# Altium PCB Stabilizer_Pounder.PcbDoc (part 6 of 7)
Units mm, origin at the board's own origin, x right, y up, seen from the top; angles counter-clockwise.
Board outline 113.55 x 100 mm, 4 copper layers (Top, P2, L3, Bottom Layer), stack 1.579 mm thick; 591 components, 344 nets, 1737 pads, 984 vias.
Unrouted connection lines stored in the file: 2.
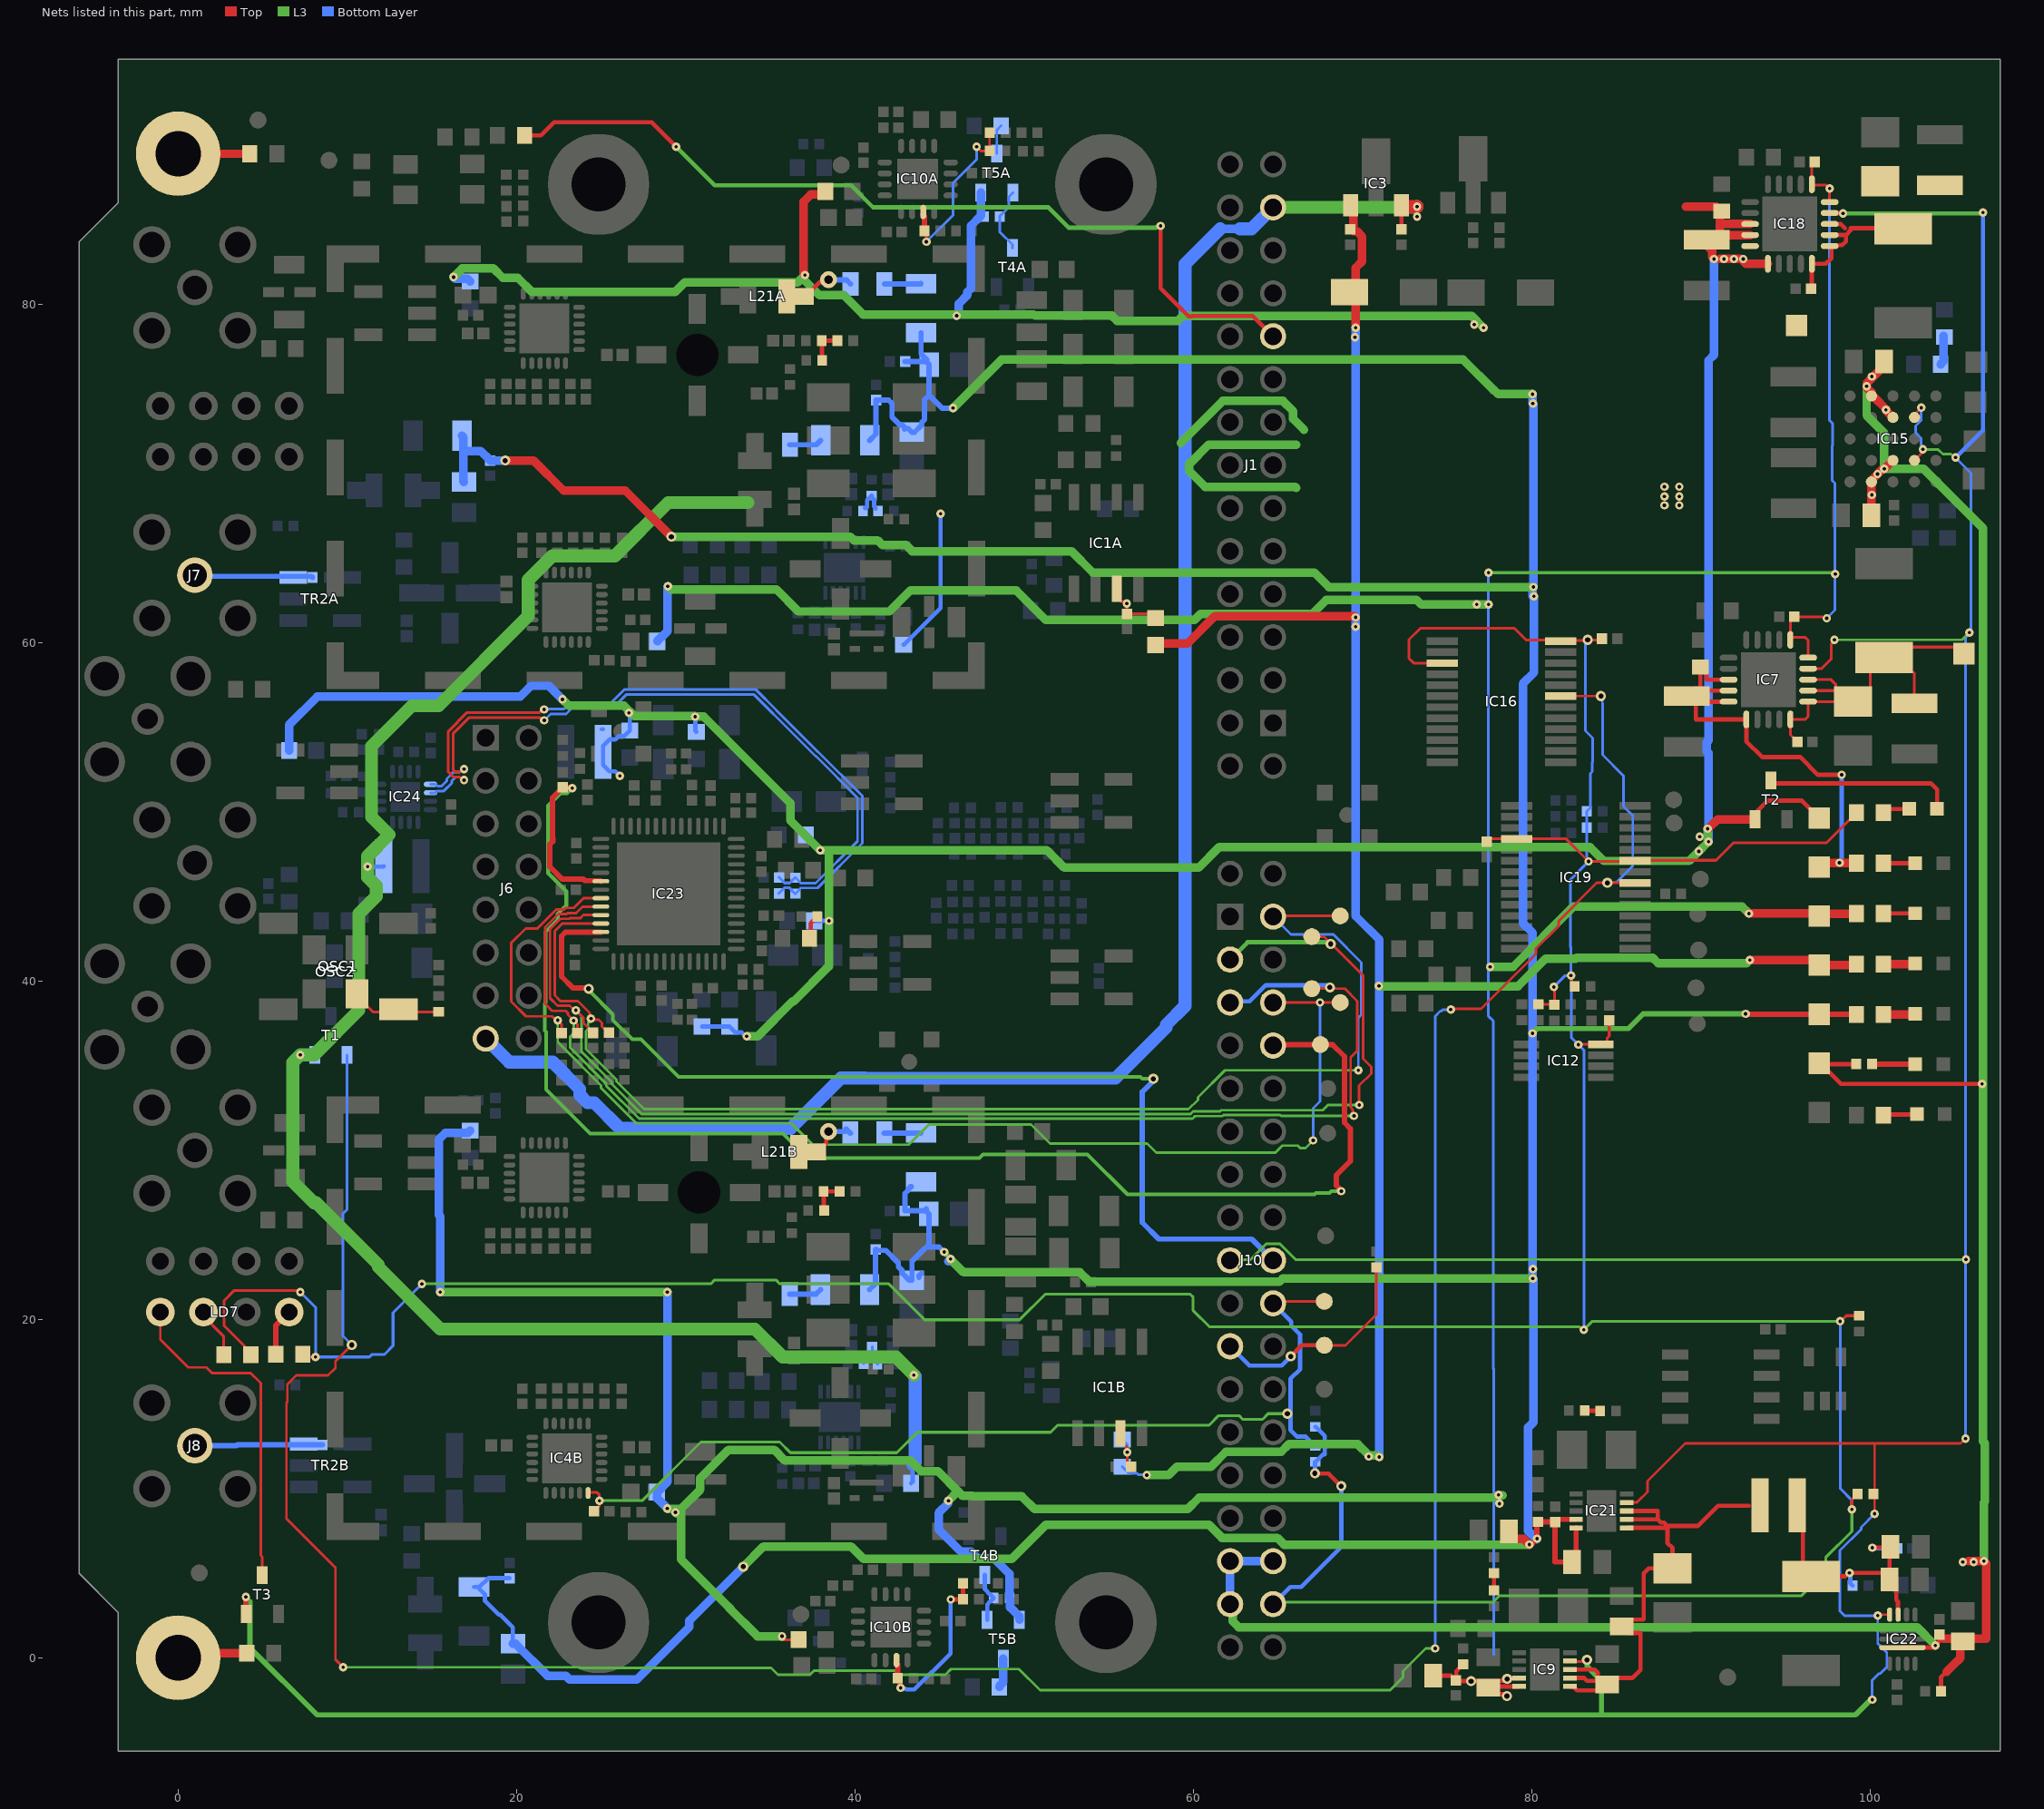
[diagram p8: the nets of this part, all layers, seen from the top]

## Via types
v1: diameter 0.5, hole 0.2, Top to Bottom Layer, tented both sides, 847 vias
v2: diameter 0.6, hole 0.3, Top to Bottom Layer, tented both sides, 113 vias
v3: diameter 1, hole 0.5, Top to Bottom Layer, tented both sides, 24 vias

## Nets (pads, with @x,y where several pads share a name; then routed paths per layer and width w, separated by ;. In a path a pad name is that pad's centre, name@x,y a point inside that pad or via, vN(x,y) a via of type N, cw(c..) or ccw(c..) an arc to the next point about the centre after c; other vN are vias at no path point) (continued)
NetL21A_2: L21A.2 R2A.2 | length 3.1
  Top w0.254: L21A.2@37.023,80.467 37.073,80.467 37.917,81.31 38.257,81.31 v3@38.303,81.356
  Top w0.316: v3(38.444,81.453) v3@38.466,81.431
  Bottom Layer w0.316: v3(38.444,81.453) 39.489,81.453 R2A.2@39.739,81.203
NetL21B_2: L21B.2 R2B.2 | length 3.2
  Top w0.254: L21B.2@37.735,29.896 37.785,29.896 38.303,30.414 38.303,30.785 38.623,31.104 v3@38.684,31.166
  Bottom Layer w0.316: v3(38.434,31.104) 39.412,31.104 39.479,31.171 39.479,31.254 R2B.2@39.729,31.004
NetLD1_1: LD1.1 R5.1 | length 1.9
  Top w0.254: R5.1@100.794,32.063 100.844,32.113 LD1.1@102.719,32.113
NetLD3_2: LD3.2 R33.1 | length 2.6
  Top w0.316: R33.1@100.114,35.088 102.594,35.088 LD3.2@102.644,35.038
NetLD4_2: LD4.2 R115.1 | length 1.8
  Top w0.254: R115.1@100.894,43.963 100.932,44.001 LD4.2@102.669,44.001
NetLD5_2: LD5.2 R116.1 | length 2.1
  Top w0.508: R116.1@100.794,38.024 102.755,38.024 LD5.2@102.819,38.088
NetLD7_1: LD7.1 T3.3 | length 20.5
  Top w0.152: LD7.1@-1.056,20.438 -1.056,18.81 0.595,17.159 1.672,17.159 2.002,16.829 4.278,16.829 4.877,16.23 4.877,6.061 4.969,5.969 T3.3@4.969,4.888
  L3 w0.166: LD7.1@-0.692,19.799 -0.692,20.027 LD7.1@-0.506,20.213
NetLD7_2: LD7.2 R38.1 | length 2.7
  Top w0.166: LD7.2@1.544,20.138 2.694,18.988 R38.1@2.694,17.913
NetLD7_4: LD7.4 R143.1 | length 2.7
  Top w0.316: R143.1@5.76,17.938 5.76,19.631 6.401,20.271 LD7.4@6.401,20.371
NetLD9_2: LD9.2 R139.1 | length 2.1
  Top w0.254: R139.1@100.794,46.966 102.891,46.966 LD9.2@102.894,46.963
NetLD10_2: LD10.2 R37.1 | length 1.8
  Top w0.508: R37.1@100.794,41.005 102.611,41.005 LD10.2@102.619,41.013
NetLD13_1: LD13.1 T2.3 | length 11.1
  Top w0.254: T2.3@94.144,51.863 94.323,51.684 103.598,51.684 103.969,51.313 LD13.1@103.969,50.288
NetLD13_2: LD13.2 R140.1 | length 1.5
  Top w0.254: R140.1@100.819,50.063 100.927,50.171 LD13.2@102.309,50.171
NetOSC1_3: OSC1.3 OSC2.3 R117.2 | length 4.8
  Top w0.166: OSC2.3@10.871,38.811 10.871,38.766 11.166,38.471 11.211,38.471 11.504,38.178 13.014,38.178 R117.2@15.394,38.178
NetR1A_2: R1A.2 R2A.1 | length 2.2
  Bottom Layer w0.316: R2A.1@41.739,81.203 43.89,81.203 R1A.2@43.909,81.222
NetR1B_2: R1B.2 R2B.1 | length 2.2
  Bottom Layer w0.316: R2B.1@41.729,31.004 43.88,31.004 R1B.2@43.899,31.024
NetR3A_2: R3A.2 R4A.1 | length 1.9
  Bottom Layer w0.316: R4A.1@36.154,71.698 37.714,71.698 R3A.2@37.974,71.958
NetR3B_2: R3B.2 R4B.1 | length 1.9
  Bottom Layer w0.316: R4B.1@36.144,21.499 37.704,21.499 R3B.2@37.964,21.759
NetR12A_2: R12A.2 R17A.1 R98A.2 | length 2.2
  Top w0.254: R12A.2@38.037,77.851 R17A.1@38.964,77.851 39.091,77.851 R17A.1@39.116,77.876 ; R12A.2@38.049,77.825 38.049,76.695 R98A.2@38.062,76.682
NetR12B_2: R12B.2 R17B.1 R98B.2 | length 2
  Top w0.254: R98B.2@38.176,26.441 38.157,26.46 38.157,27.514 38.202,27.559 R17B.1@39.09,27.559
NetR29_2: R29.2 R30.1 | length 1.5
  Top w0.254: R29.2@37.314,42.528 37.398,42.612 37.398,43.437 37.586,43.625 37.606,43.625 37.769,43.788 R30.1@37.769,43.808
NetR43_2: R43.2 ST2.1 | length 4.2
  Top w0.5: ST2.1@0,88.9 R43.2@4.229,88.9
NetR44_2: R44.2 ST2.0 | length 4.2
  Top w0.5: ST2.0@0,0 0.278,0.278 R44.2@4.05,0.278
NetR75_1: R75.1 R79.2 | length 1
  Top w0.254: R75.1@77.775,3.977 R79.2@77.775,4.998
NetR84_2: R84.2 R87.1 | length 1.7
  Bottom Layer w0.508: R84.2@104.169,76.454 104.343,76.628 R87.1@104.343,78.13
NetR93A_1: R93A.1 T4A.3 T5A.1 | length 3.9
  Bottom Layer w0.152: T4A.3@49.312,83.326 49.312,83.526 48.565,84.272 R93A.1@48.565,85.191 48.565,85.211 49.088,85.735 49.088,86.358 T5A.1@49.337,86.607
NetR93B_1: R93B.1 T4B.3 T5B.1 | length 3
  Bottom Layer w0.254: T4B.3@47.676,4.895 47.676,4.051 48.013,3.713 48.033,3.713 48.196,3.55 R93B.1@48.196,3.53 48.196,3.51 47.983,3.297 47.967,3.297 47.818,3.148 T5B.1@47.818,2.242
NetR95A_1: R95A.1 T5A.3 | length 1.7
  Bottom Layer w0.152: T5A.3@48.387,88.907 48.387,90.297 R95A.1@48.641,90.551
NetR95B_1: R95B.1 T5B.3 | length 1.8
  Bottom Layer w0.508: R95B.1@48.539,-1.727 48.539,-1.677 48.768,-1.449 T5B.3@48.768,-0.058
NetR100A_2: R100A.2 R101A.1 R102A.1 | length 1.8
  Bottom Layer w0.254: R100A.2@40.589,67.957 40.658,67.957 40.714,68.013 40.714,68.433 40.976,68.694 R101A.1@40.996,68.694 ; R101A.1@40.945,68.631 40.965,68.631 41.128,68.468 41.128,68.048 41.224,67.952 R102A.1@41.224,67.919
NetR100B_2: R100B.2 R101B.1 R102B.1 | length 1.9
  Bottom Layer w0.152: R100B.2@40.513,17.373 40.513,17.393 40.727,17.607 40.747,17.607 41.021,17.881 ; R101B.1@41.021,18.377 41.021,17.881 ; R102B.1@41.338,17.348 41.125,17.562 41.125,17.778 41.021,17.881
NetR133_1: R133.1 R135.2 | length 0.9
  Top w0.254: R133.1@83.131,14.605 84.031,14.605 R135.2@84.041,14.595
OSC_ENn: IC16.19 IC19.7 T1.1 | length 175.3
  Top w0.152: v1(9.754,-0.559) 9.296,-0.102 9.296,5.323 6.401,8.219 6.401,15.068 6.452,15.119 6.452,16.154 6.981,16.684 8.86,16.684 9.296,17.12 9.296,17.523 v2(10.262,18.488) ; v1(75.217,38.317) 75.264,38.364 77.016,38.364 80.245,41.594 80.245,41.915 81.584,43.254 81.584,43.544 83.843,45.803 IC19.7@86.117,45.803 ; IC16.19@81.84,56.839 84.085,56.839 v2(84.093,56.848)
  L3 w0.152: v1(9.754,-0.559) 23.693,-0.559 23.732,-0.598 35.051,-0.598 35.453,-1 37.342,-1 37.584,-0.758 42.351,-0.758 42.593,-1 45.34,-1 45.673,-0.667 49.692,-0.667 50.941,-1.916 71.634,-1.916 72.4,-1.149 72.4,-0.781 73.73,0.55 v1(74.294,0.55)
  Bottom Layer w0.152: v1(9.754,-0.559) v1@9.754,-0.508 ; T1.1@9.974,35.628 9.974,26.496 9.732,26.254 9.732,19.017 v2(10.262,18.488) ; v1(74.294,0.55) 74.294,37.914 74.602,38.222 74.662,38.222 74.738,38.298 75.198,38.298 v1(75.217,38.317) ; v2(84.093,56.848) 84.179,56.762 84.179,56.409 84.19,56.398 84.19,53.367 85.433,52.124 85.433,50.318 85.976,49.775 85.976,46.805 84.998,45.827 84.494,45.827 v2(84.47,45.803)
OSC_TUNING: J1.19 R72.2 | length 52.1
  Top w0.254: R72.2@20.471,89.986 21.446,89.986 22.214,90.754 27.994,90.754 v1(29.429,89.319) ; v1(58.069,84.638) 58.069,80.952 59.729,79.292 59.94,79.292 59.961,79.313 63.509,79.313 J1.19@64.714,78.108
  L3 w0.254: v1(29.429,89.319) 31.711,87.036 39.771,87.036 41.079,85.728 51.434,85.728 52.631,84.531 57.797,84.531 57.857,84.591 58.022,84.591 v1(58.069,84.638)
P1V8A: C169.2 IC18.1 IC18.18 IC18.19 IC18.20 L1.2 L7.1 L10.2 L25.2 L26.2 L27.2 L28.2 L29.2 R129.2 T2.1 TP10.1 | length 173.7
  Top w0.254: T2.1@93.294,50.013 93.944,50.663 95.969,50.663 TP10.1@96.994,49.638
  Top w0.508: 89.109,85.774 90.919,85.774 91.189,85.504 R129.2@91.239,85.504 91.124,85.389 91.124,84.804 ; v1@90.444,49.013 90.994,49.563 T2.1@93.194,49.563 T2.1@93.216,49.585 ; v1(90.78,82.677) 90.672,82.785 90.672,83.144 ; v1@91.124,82.692 92.366,82.692 92.664,82.394 IC18.1@93.959,82.394 ; IC18.19@92.909,84.094 C169.2@91.124,84.094 ; IC18.18@92.909,84.744 91.184,84.744 91.124,84.804 ; C169.2@90.351,83.824 90.351,83.465 90.672,83.144 ; C169.2@90.351,83.824 90.672,83.503 90.672,83.144 ; C169.2@90.351,83.824 C169.2@90.349,83.824 90.619,84.094 C169.2@91.124,84.094 ; C169.2@91.124,84.094 91.124,84.804
  L3 w0.508: v1(22.713,56.648) 23.079,56.282 26.34,56.282 26.97,55.651 v1@30.556,55.651 ; v1(30.556,55.626) 31.064,55.626 36.174,50.516 36.174,49.5 v1(37.948,47.726) 38.456,47.726 ; v1(33.604,36.728) 34.243,36.728 36.314,38.798 36.386,38.798 38.456,40.868 v1@38.456,43.558 ; v1(38.464,43.558) v1@38.456,43.558 ; v1(90.401,49.004) 90.401,48.186 v1(89.88,47.665) 89.312,47.097 84.261,47.097 83.454,47.903 61.514,47.903 60.314,46.703 52.369,46.703 51.346,47.726 38.456,47.726 ; v1@38.456,43.558 38.456,47.726
  Bottom Layer w0.254: L7.1@25.034,54.883 L7.1@25.108,54.883 ; v1(26.107,52.128) 25.84,52.394 25.481,52.394 25.108,52.767 L7.1@25.108,53.548 25.108,53.907 25.481,54.28 25.84,54.28 26.028,54.468 26.354,54.468 L25.2@26.694,54.808 26.694,55.701 26.645,55.75 v1(26.645,55.854) ; v1(30.556,55.626) 30.573,55.609 30.573,54.774 L1.2@30.619,54.728 ; L26.2@30.959,37.308 L27.2@32.584,37.308 32.932,36.96 33.306,36.96 33.538,36.728 v1(33.604,36.728) ; L29.2@37.093,48.648 37.441,48.3 37.441,48.233 v1(37.948,47.726) ; L28.2@37.599,43.558 v1(38.464,43.558)
  Bottom Layer w0.508: L10.2@6.554,53.628 6.554,55.144 8.226,56.816 20.219,56.816 20.85,57.447 21.914,57.447 v1(22.713,56.648) ; v1(90.449,48.234) 90.449,53.479 90.353,53.576 90.353,54.12 90.449,54.216 90.449,76.682 90.78,77.013 v1(90.78,82.677)
  other v1: 89.928,48.53 91.364,82.677 91.948,82.677 92.507,82.677
P2V1: C76.1 C163.2 C167.1 IC18.5 IC18.6 IC18.7 IC18.8 L3.2 TP11.1 | length 9.1
  Top w0.254: C167.1@96.596,80.924 96.559,80.961 IC18.5@96.559,82.394 97.38,82.394 97.714,82.728 IC18.6@97.714,83.444 ; IC18.7@97.609,84.094 98.572,84.094 ; IC18.8@97.609,84.744 98.263,84.744 98.527,84.48 ; IC18.6@97.892,83.49 98.349,83.49 98.572,83.713 98.572,84.094 ; L3.2@100.711,84.683 100.533,84.506 98.857,84.506 98.857,84.379 98.572,84.094
P3V3A: C78.2 IC7.1 IC7.18 IC7.19 IC7.20 L6.1 L31A.2 L31B.2 R23.2 R139.2 T1.2 TP13.1 | length 169.8
  Top w0.254: IC7.20@91.639,56.514 C78.2@89.489,56.514 ; IC7.19@91.639,57.164 90.094,57.164 C78.2@89.966,57.292 ; IC7.18@91.639,57.814 90.342,57.814 90.342,58.231 90.019,58.554 R23.2@89.969,58.554 89.969,57.654 89.966,57.651 C78.2@89.966,57.292 ; v1(98.319,52.188) 96.919,52.188 95.869,53.238 93.619,53.238 92.689,54.168 IC7.1@92.689,55.464 89.706,55.464 89.706,56.297 C78.2@89.489,56.514 ; C78.2@89.159,56.844 C78.2@89.489,56.514 ; C78.2@89.159,56.844 89.607,57.292 C78.2@89.966,57.292 ; C78.2@89.159,56.844 89.518,56.844 C78.2@89.966,57.292
  Top w0.508: TP13.1@97.019,46.888 97.097,46.966 R139.2@99.194,46.966
  L3 w0.508: 59.257,71.805 61.741,74.288 65.294,74.288 65.895,73.687 65.895,73.233 66.54,72.589 ; 66.089,69.149 66.023,69.215 60.691,69.215 59.765,70.141 59.765,70.562 60.898,71.694 66.089,71.694
  L3 w0.762: 33.681,68.277 28.96,68.277 25.81,65.128 22.109,65.128 20.693,63.712 20.693,61.574 15.387,56.267 13.819,56.267 11.43,53.878 11.43,49.695 12.471,48.653 11.194,47.376 v1(11.194,46.758) 11.194,46.139 11.705,45.627 11.705,44.999 10.675,43.969 10.675,38.28 8.03,35.636 v1(7.214,35.636) 6.778,35.2 6.778,28.141 8.026,26.893 8.156,26.893 11.822,23.227 11.822,23.097 15.488,19.431 34.076,19.431 35.733,17.774 42.417,17.774 v1(43.485,16.706)
  Bottom Layer w0.254: v1(7.214,35.636) 7.925,35.636 T1.2@7.976,35.585 ; v1(11.194,46.758) 12.121,46.758 L6.1@12.151,46.788 ; L31A.2@42.875,59.88 42.9,59.88 45.06,62.04 v1(45.06,67.615) ; L31B.2@43.32,10.312 43.414,10.407 43.414,11.411 ; v1@88.722,69.148 v1(88.722,69.215) ; v1(98.194,46.988) 98.194,47.055 98.319,47.18 v1(98.319,52.188)
  Bottom Layer w0.762: 43.414,11.411 43.558,11.555 43.558,16.632 v1(43.485,16.706)
  other v1: 87.845,68.117 88.722,68.119 87.845,68.644 88.722,68.646 87.845,69.213
P3V3s: C48.2 C113.2 C146.2 IC12.8 IC16.3 IC16.24 IC19.9 IC19.18 J10.34 R38.2 R42.1 R45.1 R53.2 R88.1 R89.1 R105.2 R120.1 R121.2 R122.2 R140.2 R143.2 | length 263
  Top w0.166: R38.2@4.294,17.913 3.927,18.28 3.927,18.405 2.719,19.613 2.719,21.113 3.319,21.713 v1@7.214,21.713 ; R143.2@7.36,17.938 7.519,17.78 v1(8.119,17.78) ; IC16.3@74.59,58.789 73.027,58.789 72.969,58.847 72.744,59.073 72.744,60.178 73.419,60.853 78.972,60.853 79.66,60.164 81.84,60.164 81.877,60.127 83.269,60.127 v2(83.307,60.164) 84.083,60.164 C146.2@84.153,60.234 ; C113.2@77.347,48.238 77.512,48.403 IC19.18@79.117,48.403 82.026,48.403 v1(83.363,47.066) 86.08,47.066 IC19.9@86.117,47.103 ; R121.2@80.41,38.623 81.32,38.623 R122.2@81.34,38.603 81.34,39.614 v1(81.305,39.649) ; v1(82.321,40.328) 82.333,40.316 82.333,39.88 R120.1@82.54,39.673 ; v1(82.759,36.24) 82.778,36.26 IC12.8@84.093,36.26 84.327,36.26 84.47,36.402 84.47,36.636 84.58,36.747 C48.2@84.58,37.663 ; IC19.9@86.319,47.138 90.894,47.138 91.919,48.163 97.41,48.163 98.777,49.529 98.827,49.529 99.194,49.897 R140.2@99.194,49.947 ; v1@98.171,20.015 98.211,19.975 98.353,19.975 98.596,20.218 R105.2@99.365,20.218 ; v1(98.924,8.773) 98.924,9.348 R53.2@99.254,9.678
  Top w0.254: v2(67.188,10.903) 67.198,10.894 67.996,10.894 v2(68.744,10.146)
  L3 w0.166: v1(14.404,22.098) 31.479,22.098 31.71,22.329 35.325,22.329 35.556,22.098 42.001,22.098 44.122,19.977 49.734,19.977 51.238,21.482 59.821,21.482 59.988,21.314 59.988,20.521 60.952,19.557 82.819,19.557 82.997,19.38 v1(83.083,19.38) 83.591,19.888 v1(98.222,19.888) ; J10.34@64.714,3.168 64.822,3.276 77.706,3.276 78.083,3.653 95.932,3.653 97.377,5.098 97.377,5.921 98.924,7.468 v1(98.924,8.773)
  Bottom Layer w0.166: v1(7.214,21.619) 8.119,20.714 v1(8.119,17.78) 11.296,17.78 11.433,17.917 12.177,17.917 12.7,18.44 12.7,20.394 v1(14.404,22.098) ; R89.1@67.188,13.653 R89.1@67.208,13.653 ; v1(81.305,39.649) 81.978,40.322 82.316,40.322 v1(82.321,40.328) ; v1@82.321,40.386 82.321,41.982 82.299,42.004 82.299,46.002 83.299,47.002 v1@83.299,47.093 ; v1@82.333,40.322 82.333,36.666 83.083,35.915 v1(83.083,19.38) ; v1@83.257,47.262 R42.1@83.257,49.068 R45.1@83.257,50.028 83.464,50.235 83.464,52.266 83.577,52.379 83.577,52.928 83.601,52.951 83.601,54.366 83.177,54.789 83.177,59.917 83.307,60.047 v2(83.307,60.164) ; v1(98.222,19.888) 98.247,19.863 98.247,9.988 98.924,9.311 v1(98.924,8.773)
  Bottom Layer w0.254: J10.34@64.714,3.168 65.726,4.18 66.386,4.18 68.744,6.539 v2(68.744,10.146) ; v2(67.188,10.903) 67.198,10.913 67.198,11.579 R88.1@67.208,11.589 67.228,11.589 67.653,12.014 67.771,12.014 67.772,12.016 67.772,13.109 67.228,13.653 R89.1@67.208,13.653
P3V6: C63.1 C74.1 C75.2 IC7.5 IC7.6 IC7.7 IC7.8 L2.2 TP15.1 | length 24.6
  Top w0.166: C63.1@95.699,54.144 95.289,54.554 IC7.5@95.289,55.464 96.164,55.464 96.339,55.639 IC7.6@96.339,56.514 98.774,56.514 C74.1@98.784,56.524 ; IC7.7@96.339,57.164 C74.1@98.144,57.164 ; IC7.8@96.339,57.814 97.699,57.814 97.966,57.547 97.966,57.341 C74.1@98.144,57.164 ; C75.2@102.619,56.424 102.619,58.181 102.508,58.292 101.915,58.292 L2.2@101.073,59.134 ; TP15.1@105.544,59.345 105.152,59.737 100.47,59.737 L2.2@101.073,59.134 ; C74.1@98.144,57.164 C74.1@98.784,56.524 ; C74.1@98.784,56.524 C74.1@98.989,56.524 99.194,56.524 100.012,57.341 100.012,58.307 L2.2@100.839,59.134 L2.2@101.073,59.134
P5V0A: C77.2 C79.2 C87.2 C117.2 C168.2 IC7.10 IC7.11 IC9.9 IC9.10 IC18.10 IC18.11 L11A.1 L11B.1 L12A.1 L12B.1 L22A.1 L22B.1 R83.1 R93A.2 R93B.2 R115.2 T5A.2 T5B.2 TP16.1 | length 398.4
  Top w0.166: v1@35.784,1.068 L22B.1@36.664,1.068 ; IC7.11@95.289,60.164 IC7.11@95.289,60.314 ; IC7.10@96.339,59.114 96.339,60.139 96.164,60.314 IC7.11@95.289,60.314 ; IC18.11@96.559,87.094 96.559,88.244 C168.2@96.729,88.414 ; IC18.11@96.647,87.046 97.409,87.046 v1(97.609,86.846) IC18.10@97.609,86.044 ; 97.17,61.524 C77.2@95.529,61.524 95.289,61.284 IC7.11@95.289,60.314
  Top w0.254: C117.2@74.179,-1.062 75.241,-1.062 C87.2@75.513,-1.333 C87.2@75.513,-1.384 ; R83.1@75.944,-0.39 75.924,-0.39 75.761,-0.553 75.761,-0.573 75.543,-0.791 75.543,-1.354 C87.2@75.513,-1.384 ; v2(78.536,-2.266) 78.442,-2.266 78.336,-2.159 77.842,-2.159 C79.2@77.444,-1.761 77.511,-1.694 IC9.10@79.269,-1.694 ; v2(78.549,-1.248) 78.455,-1.248 78.341,-1.363 77.888,-1.363 77.867,-1.384 C87.2@75.513,-1.384 ; v2@78.549,-1.194 IC9.9@79.269,-1.194
  Top w0.508: v1(37.05,81.728) 37.05,81.746 36.973,81.822 36.973,86.071 37.389,86.487 38.063,86.487 L22A.1@38.244,86.668 ; v1(92.844,43.988) 96.844,43.988 TP16.1@96.994,43.838 ; TP16.1@97.341,43.985 R115.2@99.194,43.985
  L3 w0.166: v1(77.444,64.136) 97.774,64.136 97.852,64.059 v1(97.942,64.059)
  L3 w0.508: v1(15.494,21.619) v1(28.909,21.619) ; v1(16.274,81.61) 16.783,82.119 18.63,82.119 19.188,81.561 20.07,81.561 20.907,80.724 29.366,80.724 29.944,81.303 36.625,81.303 v1(37.05,81.728) ; v1(28.903,8.829) 28.929,8.803 29.721,8.803 ; v1(28.939,63.338) 29.134,63.143 35.359,63.143 36.659,61.843 42.035,61.843 43.281,63.09 49.53,63.09 51.282,61.338 60.068,61.338 60.417,61.687 67.019,61.687 67.863,62.531 73.197,62.531 73.47,62.258 v1(76.75,62.258) v1(77.444,62.258) ; v1(29.388,8.598) v1@29.452,8.534 ; 32.639,2.895 32.537,2.997 ; v1(35.687,1.27) 34.239,1.27 32.537,2.972 32.537,2.997 ; v1@36.881,81.559 37.893,80.547 38.819,80.547 38.821,80.548 39.329,80.548 40.476,79.4 50.563,79.4 50.636,79.328 55.19,79.328 55.499,79.019 59.079,79.019 59.382,79.322 76.451,79.322 v1(77.156,78.617) ; v1(45.524,9.283) 46.048,9.807 46.124,9.807 ; 46.939,9.543 49.86,9.543 50.615,8.788 59.663,8.788 60.34,9.465 77.911,9.465 78.034,9.588 78.284,9.588 ; 46.939,9.576 46.355,9.576 46.124,9.807 ; v1(77.544,40.838) 78.894,40.838 82.453,44.397 92.435,44.397 v1(92.844,43.988) ; 29.721,8.803 29.721,5.814 32.537,2.997 ; 29.721,8.803 30.861,9.943 30.861,10.617 32.531,12.287 35.226,12.287 35.858,11.655 43.285,11.655 43.917,11.023 44.907,11.023 46.124,9.807
  Bottom Layer w0.166: v1(77.444,64.136) v1(77.444,62.258) 77.444,37.922 77.729,37.638 77.729,17.064 77.75,17.085 77.75,0.177 ; v1(97.434,61.442) 97.92,61.928 97.92,69.428 97.762,69.586 97.762,71.651 97.793,71.681 97.793,72.946 97.609,73.13 v1(97.609,86.846)
  Bottom Layer w0.508: v1(15.494,21.619) 15.494,26.077 15.398,26.173 15.398,30.631 15.782,31.016 17.11,31.016 L12B.1@17.249,31.154 ; v1(16.274,81.61) 16.377,81.507 17.105,81.507 L12A.1@17.259,81.353 ; L11A.1@28.319,60.078 28.319,60.103 28.54,60.324 28.565,60.324 28.909,60.668 28.909,63.308 v1(28.939,63.338) ; v1(28.903,8.829) 28.309,9.423 L11B.1@28.309,9.783 28.929,10.403 28.929,21.599 v1(28.909,21.619) ; v1(45.524,9.283) 45.524,9.144 44.942,8.562 44.942,7.59 46.243,6.289 46.858,6.289 47.281,5.866 48.225,5.866 49.136,4.954 R93B.2@49.136,3.53 49.172,3.494 49.172,2.988 49.718,2.442 T5B.2@49.718,2.242 ; v1(46.009,79.322) 46.134,79.447 46.134,80.031 46.653,80.55 46.653,80.729 46.856,80.932 46.856,84.651 47.437,85.232 T5A.2@47.437,86.607
  other v1: 78.092,9.11 78.034,9.628 76.607,78.799
  other v2: 76.415,-1.381
P5V0A1A: C62A.2 IC1A.7 L23A.2 | length 3.9
  Top w0.166: IC1A.7@55.508,63.469 55.508,62.691 55.7,62.498 55.7,62.468 55.73,62.438 55.846,62.438 55.972,62.312 v1(56.063,62.312) 56.063,61.709 C62A.2@56.069,61.703 57.349,61.703 57.518,61.703 L23A.2@57.763,61.458
P5V0A1B: C62B.2 IC1B.7 L23B.2 | length 3.5
  Top w0.166: IC1B.7@55.696,13.523 55.798,13.421 55.798,12.696 55.913,12.581 55.96,12.581 56.057,12.484 56.057,12.185 v1(56.094,12.147) ; v1@56.096,12.094 56.096,11.526 56.255,11.367 56.391,11.367 C62B.2@56.323,11.299
  Bottom Layer w0.166: L23B.2@55.797,12.895 56.094,12.598 v1(56.094,12.147)
P5V0AS: C33.2 D1.1 IC3.1 L23A.1 L23B.1 R37.2 TP19.1 | length 139.5
  Top w0.166: 61.189,61.493 66.98,61.493 67.06,61.573 ; IC3.1@69.264,85.852 69.264,85.875 IC3.1@69.317,85.928
  Top w0.508: L23A.1@57.763,59.858 57.854,59.949 59.645,59.949 61.189,61.493 61.269,61.573 67.06,61.573 69.518,61.573 v1(69.598,61.493) ; IC3.1@69.304,85.852 69.458,85.698 69.458,84.334 69.651,84.334 69.98,84.005 69.98,82.54 69.598,82.158 v1(69.598,78.617) ; v1(92.894,41.238) 96.694,41.238 TP19.1@96.994,40.938 99.127,40.938 R37.2@99.194,41.005
  L3 w0.508: v1(57.248,10.795) 58.534,10.795 59.038,11.299 61.05,11.299 61.923,12.172 65.193,12.172 65.64,12.619 69.721,12.619 70.371,11.969 70.885,11.969 v1(70.993,11.862) ; v1(70.969,39.713) 70.994,39.688 79.194,39.688 80.831,41.325 82.608,41.325 82.663,41.38 87.146,41.38 87.475,41.051 92.707,41.051 v1(92.894,41.238)
  Bottom Layer w0.166: L23B.1@55.797,11.295 56.189,10.903 56.667,10.903 56.75,10.82 57.223,10.82 v1(57.248,10.795) ; v1@70.968,11.887 v1(70.993,11.862)
  Bottom Layer w0.508: v1(69.598,78.617) 69.598,43.841 70.993,42.445 70.993,11.912 v1@70.968,11.887
  other v1: 70.371,11.896 69.598,60.946 69.549,78.048
P7V0A: C90A.2 C90B.2 C91A.2 C91B.2 C93A.2 C93B.2 C94A.2 C94B.2 C109A.2 C109B.2 C115A.2 C115B.2 C118.2 C155.2 C177.2 IC21.9 IC21.10 R1A.1 R1B.1 R3A.1 R3B.1 R20.1 R34A.1 R34B.1 R116.2 TP17.1 | length 343.6
  Top w0.316: v1@79.858,6.578 v1(80.315,7.036) 80.315,7.975 R20.1@80.366,8.026 80.367,8.028 C177.2@81.384,8.028 ; IC21.10@82.624,7.678 82.624,5.908 C155.2@82.374,5.658 81.384,5.658 C177.2@81.384,8.028 ; IC21.9@82.624,8.178 81.534,8.178 C177.2@81.384,8.028 ; v1(92.644,38.063) 92.669,38.038 TP17.1@96.994,38.038 ; TP17.1@96.969,38.138 97.083,38.024 R116.2@99.194,38.024